# Altium PCB PCB_DACard.PcbDoc (part 2 of 2)
Units mm, origin at the board's own origin, x right, y up, seen from the top; angles counter-clockwise.
Board outline 119.99 x 50 mm, 6 copper layers (Top Layer, Int1 (GND), Int2 (24V), Int3 (5V), Int4 (GND), Bottom Layer), stack 1.472 mm thick; 126 components, 124 nets, 493 pads, 263 vias.
Unrouted connection lines stored in the file: 49.
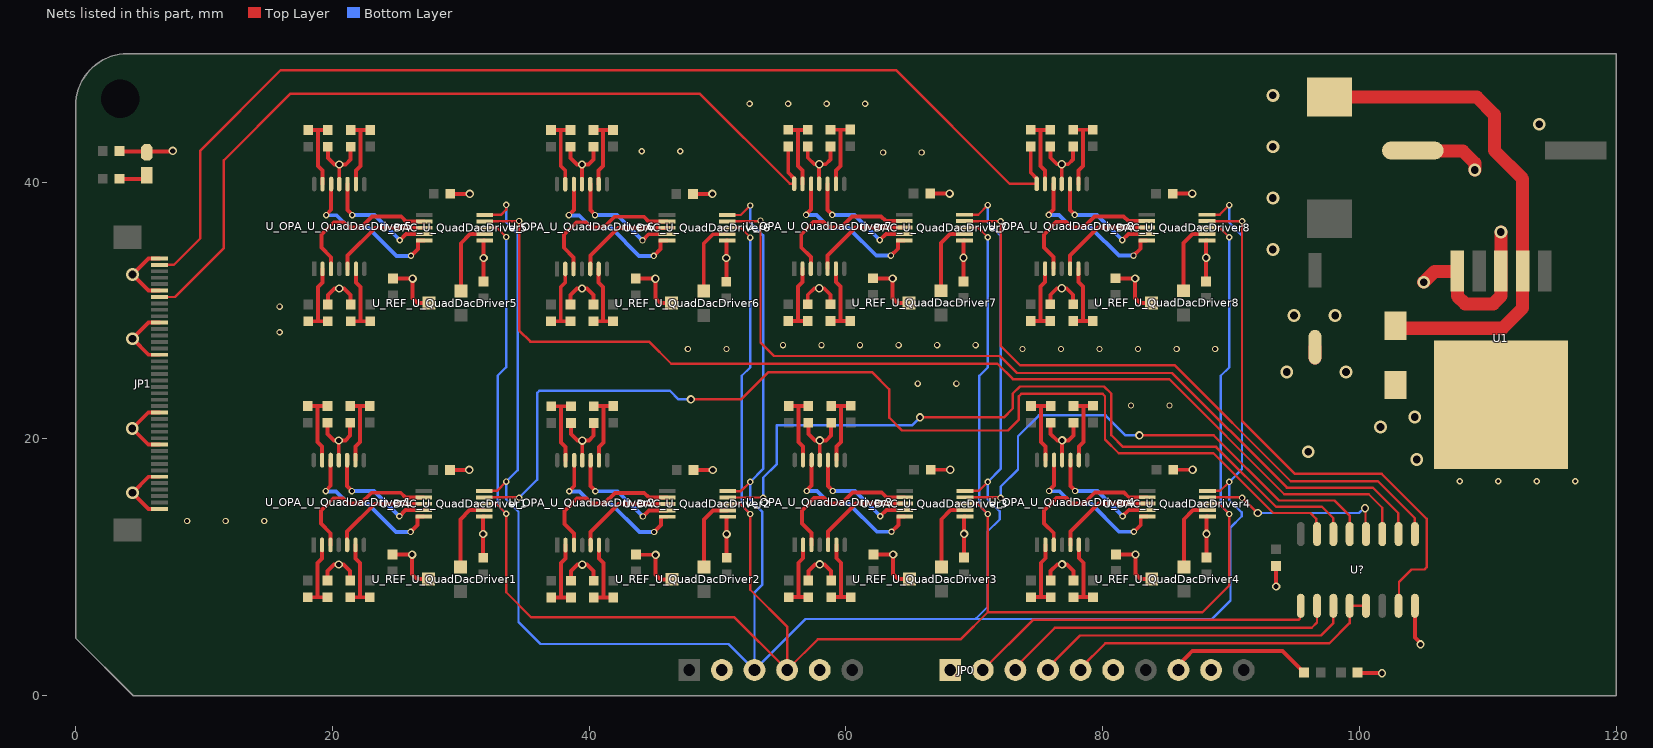
[diagram p6: the nets of this part, all layers, seen from the top]

## Via types
v1: diameter 0.65, hole 0.4, Top Layer to Bottom Layer, tented both sides, 141 vias
v2: diameter 0.5, hole 0.3, Top Layer to Bottom Layer, tented both sides, 91 vias
v3: diameter 1, hole 0.6, Top Layer to Bottom Layer, tented both sides, 28 vias
v4: diameter 1, hole 0.6, Top Layer to Bottom Layer, 3 vias

## Nets (pads, with @x,y where several pads share a name; then routed paths per layer and width w, separated by ;. In a path a pad name is that pad's centre, name@x,y a point inside that pad or via, vN(x,y) a via of type N, cw(c..) or ccw(c..) an arc to the next point about the centre after c; other vN are vias at no path point) (continued)
ChD7: JP1.7 R4P_U_QuadDacDriver7.1 U_OPA_U_QuadDacDriver7.14 | length 66
  Top Layer w0.186: JP1.7@6.547,31.05 7.74,31.05 11.556,34.866 11.556,41.694 16.752,46.889 48.611,46.889 55.635,39.865 55.967,39.865 U_OPA_U_QuadDacDriver7.14@55.97,39.862 55.962,39.87 U_OPA_U_QuadDacDriver7.14@55.962,40.277
  Top Layer w0.305: R4P_U_QuadDacDriver7.1@55.507,42.766 55.507,40.731 U_OPA_U_QuadDacDriver7.14@55.962,40.277
ChD8: JP1.2 R4P_U_QuadDacDriver8.1 U_OPA_U_QuadDacDriver8.14 | length 85.4
  Top Layer w0.186: JP1.2@6.547,33.55 7.654,33.55 9.728,35.623 9.728,42.451 15.995,48.718 63.896,48.718 72.754,39.861 U_OPA_U_QuadDacDriver8.14@74.858,39.861 U_OPA_U_QuadDacDriver8.14@74.858,40.267
  Top Layer w0.305: R4P_U_QuadDacDriver8.1@74.395,42.765 74.395,40.73 U_OPA_U_QuadDacDriver8.14@74.858,40.267
FbChA_U_QuadDacDriver1: R1N_U_QuadDacDriver1.2 R1P_U_QuadDacDriver1.1 U_OPA_U_QuadDacDriver1.2 | length 5.7
  Top Layer w0.305: R1P_U_QuadDacDriver1.1@18.095,7.664 18.857,7.664 ; U_OPA_U_QuadDacDriver1.2@19.208,11.741 19.208,10.697 18.857,10.346 18.857,7.664 ; R1N_U_QuadDacDriver1.2@19.619,7.664 18.857,7.664
FbChA_U_QuadDacDriver2: R1N_U_QuadDacDriver2.2 R1P_U_QuadDacDriver2.1 U_OPA_U_QuadDacDriver2.2 | length 5.7
  Top Layer w0.305: R1P_U_QuadDacDriver2.1@37.058,7.652 37.82,7.652 ; U_OPA_U_QuadDacDriver2.2@38.171,11.729 38.171,10.685 37.82,10.334 37.82,7.652 ; R1N_U_QuadDacDriver2.2@38.582,7.652 37.82,7.652
FbChA_U_QuadDacDriver3: R1N_U_QuadDacDriver3.2 R1P_U_QuadDacDriver3.1 U_OPA_U_QuadDacDriver3.2 | length 5.7
  Top Layer w0.305: R1P_U_QuadDacDriver3.1@55.55,7.672 56.312,7.672 ; U_OPA_U_QuadDacDriver3.2@56.663,11.749 56.663,10.705 56.312,10.354 56.312,7.672 ; R1N_U_QuadDacDriver3.2@57.074,7.672 56.312,7.672
FbChA_U_QuadDacDriver4: R1N_U_QuadDacDriver4.2 R1P_U_QuadDacDriver4.1 U_OPA_U_QuadDacDriver4.2 | length 5.7
  Top Layer w0.305: R1P_U_QuadDacDriver4.1@74.425,7.672 75.187,7.672 ; U_OPA_U_QuadDacDriver4.2@75.538,11.749 75.538,10.705 75.187,10.354 75.187,7.672 ; R1N_U_QuadDacDriver4.2@75.949,7.672 75.187,7.672
FbChA_U_QuadDacDriver5: R1N_U_QuadDacDriver5.2 R1P_U_QuadDacDriver5.1 U_OPA_U_QuadDacDriver5.2 | length 5.7
  Top Layer w0.305: R1P_U_QuadDacDriver5.1@18.132,29.16 18.894,29.16 ; U_OPA_U_QuadDacDriver5.2@19.245,33.237 19.245,32.193 18.894,31.842 18.894,29.16 ; R1N_U_QuadDacDriver5.2@19.656,29.16 18.894,29.16
FbChA_U_QuadDacDriver6: R1N_U_QuadDacDriver6.2 R1P_U_QuadDacDriver6.1 U_OPA_U_QuadDacDriver6.2 | length 5.7
  Top Layer w0.305: R1P_U_QuadDacDriver6.1@37.032,29.156 37.794,29.156 ; U_OPA_U_QuadDacDriver6.2@38.145,33.233 38.145,32.189 37.794,31.838 37.794,29.156 ; R1N_U_QuadDacDriver6.2@38.556,29.156 37.794,29.156
FbChA_U_QuadDacDriver7: R1N_U_QuadDacDriver7.2 R1P_U_QuadDacDriver7.1 U_OPA_U_QuadDacDriver7.2 | length 5.7
  Top Layer w0.305: R1P_U_QuadDacDriver7.1@55.507,29.177 56.269,29.177 ; U_OPA_U_QuadDacDriver7.2@56.62,33.254 56.62,32.21 56.269,31.859 56.269,29.177 ; R1N_U_QuadDacDriver7.2@57.031,29.177 56.269,29.177
FbChA_U_QuadDacDriver8: R1N_U_QuadDacDriver8.2 R1P_U_QuadDacDriver8.1 U_OPA_U_QuadDacDriver8.2 | length 5.7
  Top Layer w0.305: R1P_U_QuadDacDriver8.1@74.395,29.176 75.157,29.176 ; U_OPA_U_QuadDacDriver8.2@75.508,33.253 75.508,32.209 75.157,31.858 75.157,29.176 ; R1N_U_QuadDacDriver8.2@75.919,29.176 75.157,29.176
FbChB_U_QuadDacDriver1: R2N_U_QuadDacDriver1.2 R2P_U_QuadDacDriver1.1 U_OPA_U_QuadDacDriver1.6 | length 5.7
  Top Layer w0.305: R2N_U_QuadDacDriver1.2@21.397,7.664 22.159,7.664 ; U_OPA_U_QuadDacDriver1.6@21.808,11.741 21.808,10.697 22.159,10.346 22.159,7.664 ; R2P_U_QuadDacDriver1.1@22.921,7.664 22.159,7.664
FbChB_U_QuadDacDriver2: R2N_U_QuadDacDriver2.2 R2P_U_QuadDacDriver2.1 U_OPA_U_QuadDacDriver2.6 | length 5.7
  Top Layer w0.305: R2N_U_QuadDacDriver2.2@40.36,7.652 41.122,7.652 ; U_OPA_U_QuadDacDriver2.6@40.771,11.729 40.771,10.685 41.122,10.334 41.122,7.652 ; R2P_U_QuadDacDriver2.1@41.884,7.652 41.122,7.652
FbChB_U_QuadDacDriver3: R2N_U_QuadDacDriver3.2 R2P_U_QuadDacDriver3.1 U_OPA_U_QuadDacDriver3.6 | length 5.7
  Top Layer w0.305: R2N_U_QuadDacDriver3.2@58.852,7.672 59.614,7.672 ; U_OPA_U_QuadDacDriver3.6@59.263,11.749 59.263,10.705 59.614,10.354 59.614,7.672 ; R2P_U_QuadDacDriver3.1@60.376,7.672 59.614,7.672
FbChB_U_QuadDacDriver4: R2N_U_QuadDacDriver4.2 R2P_U_QuadDacDriver4.1 U_OPA_U_QuadDacDriver4.6 | length 5.7
  Top Layer w0.305: R2N_U_QuadDacDriver4.2@77.727,7.672 78.489,7.672 ; U_OPA_U_QuadDacDriver4.6@78.138,11.749 78.138,10.705 78.489,10.354 78.489,7.672 ; R2P_U_QuadDacDriver4.1@79.251,7.672 78.489,7.672
FbChB_U_QuadDacDriver5: R2N_U_QuadDacDriver5.2 R2P_U_QuadDacDriver5.1 U_OPA_U_QuadDacDriver5.6 | length 5.7
  Top Layer w0.305: R2N_U_QuadDacDriver5.2@21.434,29.16 22.196,29.16 ; U_OPA_U_QuadDacDriver5.6@21.845,33.237 21.845,32.193 22.196,31.842 22.196,29.16 ; R2P_U_QuadDacDriver5.1@22.958,29.16 22.196,29.16
FbChB_U_QuadDacDriver6: R2N_U_QuadDacDriver6.2 R2P_U_QuadDacDriver6.1 U_OPA_U_QuadDacDriver6.6 | length 5.7
  Top Layer w0.305: R2N_U_QuadDacDriver6.2@40.334,29.156 41.096,29.156 ; U_OPA_U_QuadDacDriver6.6@40.745,33.233 40.745,32.189 41.096,31.838 41.096,29.156 ; R2P_U_QuadDacDriver6.1@41.858,29.156 41.096,29.156
FbChB_U_QuadDacDriver7: R2N_U_QuadDacDriver7.2 R2P_U_QuadDacDriver7.1 U_OPA_U_QuadDacDriver7.6 | length 5.7
  Top Layer w0.305: R2N_U_QuadDacDriver7.2@58.809,29.177 59.571,29.177 ; U_OPA_U_QuadDacDriver7.6@59.22,33.254 59.22,32.21 59.571,31.859 59.571,29.177 ; R2P_U_QuadDacDriver7.1@60.333,29.177 59.571,29.177
FbChB_U_QuadDacDriver8: R2N_U_QuadDacDriver8.2 R2P_U_QuadDacDriver8.1 U_OPA_U_QuadDacDriver8.6 | length 5.7
  Top Layer w0.305: R2N_U_QuadDacDriver8.2@77.697,29.176 78.459,29.176 ; U_OPA_U_QuadDacDriver8.6@78.108,33.253 78.108,32.209 78.459,31.858 78.459,29.176 ; R2P_U_QuadDacDriver8.1@79.221,29.176 78.459,29.176
FbChC_U_QuadDacDriver1: R3N_U_QuadDacDriver1.1 R3P_U_QuadDacDriver1.2 U_OPA_U_QuadDacDriver1.9 | length 5.9
  Top Layer w0.305: R3N_U_QuadDacDriver1.1@21.397,22.553 21.404,22.561 22.159,22.561 ; U_OPA_U_QuadDacDriver1.9@21.808,18.341 21.808,19.393 22.159,19.744 22.159,22.561 ; R3P_U_QuadDacDriver1.2@22.921,22.568 22.914,22.561 22.159,22.561
FbChC_U_QuadDacDriver2: R3N_U_QuadDacDriver2.1 R3P_U_QuadDacDriver2.2 U_OPA_U_QuadDacDriver2.9 | length 5.9
  Top Layer w0.305: R3N_U_QuadDacDriver2.1@40.36,22.541 40.367,22.549 41.122,22.549 ; U_OPA_U_QuadDacDriver2.9@40.771,18.329 40.771,19.381 41.122,19.732 41.122,22.549 ; R3P_U_QuadDacDriver2.2@41.884,22.556 41.876,22.549 41.122,22.549
FbChC_U_QuadDacDriver3: R3N_U_QuadDacDriver3.1 R3P_U_QuadDacDriver3.2 U_OPA_U_QuadDacDriver3.9 | length 5.9
  Top Layer w0.305: R3N_U_QuadDacDriver3.1@58.852,22.561 58.859,22.569 59.614,22.569 ; U_OPA_U_QuadDacDriver3.9@59.263,18.349 59.263,19.401 59.614,19.752 59.614,22.569 ; R3P_U_QuadDacDriver3.2@60.376,22.576 60.368,22.569 59.614,22.569
FbChC_U_QuadDacDriver4: R3N_U_QuadDacDriver4.1 R3P_U_QuadDacDriver4.2 U_OPA_U_QuadDacDriver4.9 | length 5.9
  Top Layer w0.305: R3N_U_QuadDacDriver4.1@77.727,22.561 77.734,22.569 78.489,22.569 ; U_OPA_U_QuadDacDriver4.9@78.138,18.349 78.138,19.401 78.489,19.752 78.489,22.569 ; R3P_U_QuadDacDriver4.2@79.251,22.576 79.243,22.569 78.489,22.569
FbChC_U_QuadDacDriver5: R3N_U_QuadDacDriver5.1 R3P_U_QuadDacDriver5.2 U_OPA_U_QuadDacDriver5.9 | length 5.9
  Top Layer w0.305: R3N_U_QuadDacDriver5.1@21.434,44.049 21.441,44.057 22.196,44.057 ; U_OPA_U_QuadDacDriver5.9@21.845,39.837 21.845,40.889 22.196,41.24 22.196,44.057 ; R3P_U_QuadDacDriver5.2@22.958,44.064 22.951,44.057 22.196,44.057
FbChC_U_QuadDacDriver6: R3N_U_QuadDacDriver6.1 R3P_U_QuadDacDriver6.2 U_OPA_U_QuadDacDriver6.9 | length 5.9
  Top Layer w0.305: R3N_U_QuadDacDriver6.1@40.334,44.045 40.341,44.053 41.096,44.053 ; U_OPA_U_QuadDacDriver6.9@40.745,39.833 40.745,40.885 41.096,41.236 41.096,44.053 ; R3P_U_QuadDacDriver6.2@41.858,44.06 41.851,44.053 41.096,44.053
FbChC_U_QuadDacDriver7: R3N_U_QuadDacDriver7.1 R3P_U_QuadDacDriver7.2 U_OPA_U_QuadDacDriver7.9 | length 5.9
  Top Layer w0.305: R3N_U_QuadDacDriver7.1@58.809,44.066 58.816,44.074 59.571,44.074 ; U_OPA_U_QuadDacDriver7.9@59.22,39.854 59.22,40.906 59.571,41.257 59.571,44.073 ; R3P_U_QuadDacDriver7.2@60.333,44.081 60.326,44.074 59.571,44.074
FbChC_U_QuadDacDriver8: R3N_U_QuadDacDriver8.1 R3P_U_QuadDacDriver8.2 U_OPA_U_QuadDacDriver8.9 | length 5.9
  Top Layer w0.305: R3N_U_QuadDacDriver8.1@77.697,44.065 77.704,44.072 78.459,44.072 ; U_OPA_U_QuadDacDriver8.9@78.108,39.853 78.108,40.905 78.459,41.256 78.459,44.072 ; R3P_U_QuadDacDriver8.2@79.221,44.08 79.214,44.072 78.459,44.072
FbChD_U_QuadDacDriver1: R4N_U_QuadDacDriver1.1 R4P_U_QuadDacDriver1.2 U_OPA_U_QuadDacDriver1.13 | length 5.9
  Top Layer w0.305: R4P_U_QuadDacDriver1.2@18.095,22.553 18.857,22.553 ; U_OPA_U_QuadDacDriver1.13@19.208,18.341 19.208,19.393 18.857,19.744 18.857,22.553 ; R4N_U_QuadDacDriver1.1@19.619,22.553 18.857,22.553
FbChD_U_QuadDacDriver2: R4N_U_QuadDacDriver2.1 R4P_U_QuadDacDriver2.2 U_OPA_U_QuadDacDriver2.13 | length 5.9
  Top Layer w0.305: R4P_U_QuadDacDriver2.2@37.058,22.541 37.82,22.541 ; U_OPA_U_QuadDacDriver2.13@38.171,18.329 38.171,19.381 37.82,19.732 37.82,22.541 ; R4N_U_QuadDacDriver2.1@38.582,22.541 37.82,22.541
FbChD_U_QuadDacDriver3: R4N_U_QuadDacDriver3.1 R4P_U_QuadDacDriver3.2 U_OPA_U_QuadDacDriver3.13 | length 5.9
  Top Layer w0.305: R4P_U_QuadDacDriver3.2@55.55,22.561 56.312,22.561 ; U_OPA_U_QuadDacDriver3.13@56.663,18.349 56.663,19.401 56.312,19.752 56.312,22.561 ; R4N_U_QuadDacDriver3.1@57.074,22.561 56.312,22.561
FbChD_U_QuadDacDriver4: R4N_U_QuadDacDriver4.1 R4P_U_QuadDacDriver4.2 U_OPA_U_QuadDacDriver4.13 | length 5.9
  Top Layer w0.305: R4P_U_QuadDacDriver4.2@74.425,22.561 75.187,22.561 ; U_OPA_U_QuadDacDriver4.13@75.538,18.349 75.538,19.401 75.187,19.752 75.187,22.561 ; R4N_U_QuadDacDriver4.1@75.949,22.561 75.187,22.561
FbChD_U_QuadDacDriver5: R4N_U_QuadDacDriver5.1 R4P_U_QuadDacDriver5.2 U_OPA_U_QuadDacDriver5.13 | length 5.9
  Top Layer w0.305: R4P_U_QuadDacDriver5.2@18.132,44.049 18.894,44.049 ; U_OPA_U_QuadDacDriver5.13@19.245,39.837 19.245,40.889 18.894,41.24 18.894,44.049 ; R4N_U_QuadDacDriver5.1@19.656,44.049 18.894,44.049
FbChD_U_QuadDacDriver6: R4N_U_QuadDacDriver6.1 R4P_U_QuadDacDriver6.2 U_OPA_U_QuadDacDriver6.13 | length 5.9
  Top Layer w0.305: R4P_U_QuadDacDriver6.2@37.032,44.045 37.794,44.045 ; U_OPA_U_QuadDacDriver6.13@38.145,39.833 38.145,40.885 37.794,41.236 37.794,44.045 ; R4N_U_QuadDacDriver6.1@38.556,44.045 37.794,44.045
FbChD_U_QuadDacDriver7: R4N_U_QuadDacDriver7.1 R4P_U_QuadDacDriver7.2 U_OPA_U_QuadDacDriver7.13 | length 5.9
  Top Layer w0.305: R4P_U_QuadDacDriver7.2@55.507,44.066 56.269,44.066 ; U_OPA_U_QuadDacDriver7.13@56.62,39.854 56.62,40.906 56.269,41.257 56.269,44.066 ; R4N_U_QuadDacDriver7.1@57.031,44.066 56.269,44.066
FbChD_U_QuadDacDriver8: R4N_U_QuadDacDriver8.1 R4P_U_QuadDacDriver8.2 U_OPA_U_QuadDacDriver8.13 | length 5.9
  Top Layer w0.305: R4P_U_QuadDacDriver8.2@74.395,44.065 75.157,44.065 ; U_OPA_U_QuadDacDriver8.13@75.508,39.853 75.508,40.905 75.157,41.256 75.157,44.065 ; R4N_U_QuadDacDriver8.1@75.919,44.065 75.157,44.065
GND: C0.2 C0DCP1_U_QuadDacDriver1.2 C0DCP1_U_QuadDacDriver2.2 C0DCP1_U_QuadDacDriver3.2 C0DCP1_U_QuadDacDriver4.2 C0DCP1_U_QuadDacDriver5.2 C0DCP1_U_QuadDacDriver6.2 C0DCP1_U_QuadDacDriver7.2 C0DCP1_U_QuadDacDriver8.2 C0DCP2_U_QuadDacDriver1.2 C0DCP2_U_QuadDacDriver2.2 C0DCP2_U_QuadDacDriver3.2 C0DCP2_U_QuadDacDriver4.2 C0DCP2_U_QuadDacDriver5.2 C0DCP2_U_QuadDacDriver6.2 C0DCP2_U_QuadDacDriver7.2 C0DCP2_U_QuadDacDriver8.2 C0DCP3_U_QuadDacDriver1.1 C0DCP3_U_QuadDacDriver2.1 C0DCP3_U_QuadDacDriver3.1 C0DCP3_U_QuadDacDriver4.1 C0DCP3_U_QuadDacDriver5.1 C0DCP3_U_QuadDacDriver6.1 C0DCP3_U_QuadDacDriver7.1 C0DCP3_U_QuadDacDriver8.1 C1.2 C1V.2 C2.2 C2V.2 D1.1 JP0.2 JP0.5 JP0.7 JP0.12 JP0.15 JP1.1 JP1.6 JP1.11 JP1.16 JP1.25 JP1.30 JP1.35 JP1.40 LED0.2 R1N_U_QuadDacDriver1.1 R1N_U_QuadDacDriver2.1 R1N_U_QuadDacDriver3.1 R1N_U_QuadDacDriver4.1 R1N_U_QuadDacDriver5.1 R1N_U_QuadDacDriver6.1 R1N_U_QuadDacDriver7.1 R1N_U_QuadDacDriver8.1 R2N_U_QuadDacDriver1.1 R2N_U_QuadDacDriver2.1 R2N_U_QuadDacDriver3.1 R2N_U_QuadDacDriver4.1 R2N_U_QuadDacDriver5.1 R2N_U_QuadDacDriver6.1 R2N_U_QuadDacDriver7.1 R2N_U_QuadDacDriver8.1 R3N_U_QuadDacDriver1.2 R3N_U_QuadDacDriver2.2 R3N_U_QuadDacDriver3.2 R3N_U_QuadDacDriver4.2 R3N_U_QuadDacDriver5.2 R3N_U_QuadDacDriver6.2 R3N_U_QuadDacDriver7.2 R3N_U_QuadDacDriver8.2 R4N_U_QuadDacDriver1.2 R4N_U_QuadDacDriver2.2 R4N_U_QuadDacDriver3.2 R4N_U_QuadDacDriver4.2 R4N_U_QuadDacDriver5.2 R4N_U_QuadDacDriver6.2 R4N_U_QuadDacDriver7.2 R4N_U_QuadDacDriver8.2 U1.3 U1.5 U?.8 U_DAC_U_QuadDacDriver1.6 U_DAC_U_QuadDacDriver2.6 U_DAC_U_QuadDacDriver3.6 U_DAC_U_QuadDacDriver4.6 U_DAC_U_QuadDacDriver5.6 U_DAC_U_QuadDacDriver6.6 U_DAC_U_QuadDacDriver7.6 U_DAC_U_QuadDacDriver8.6 U_OPA_U_QuadDacDriver1.11 U_OPA_U_QuadDacDriver2.11 U_OPA_U_QuadDacDriver3.11 U_OPA_U_QuadDacDriver4.11 U_OPA_U_QuadDacDriver5.11 U_OPA_U_QuadDacDriver6.11 U_OPA_U_QuadDacDriver7.11 U_OPA_U_QuadDacDriver8.11 U_REF_U_QuadDacDriver1.3 U_REF_U_QuadDacDriver2.3 U_REF_U_QuadDacDriver3.3 U_REF_U_QuadDacDriver4.3 U_REF_U_QuadDacDriver5.3 U_REF_U_QuadDacDriver6.3 U_REF_U_QuadDacDriver7.3 U_REF_U_QuadDacDriver8.3 | length 207.9
  Top Layer w0.305: C2V.2@3.425,42.425 3.48,42.37 5.513,42.37 LED0.2@5.568,42.314 5.624,42.37 7.52,42.37 v1(7.575,42.425) ; v3@4.566,32.8 v3(4.45,32.8) ; JP1.40@6.547,14.55 6.545,14.552 5.698,14.552 v3(4.45,15.8) 5.698,17.048 6.545,17.048 JP1.35@6.547,17.05 ; JP1.30@6.547,19.55 6.545,19.552 5.673,19.552 v3(4.425,20.8) 5.673,22.048 6.545,22.048 JP1.25@6.547,22.05 ; JP1.16@6.547,26.55 6.545,26.552 5.698,26.552 v3(4.45,27.8) 5.698,29.048 6.545,29.048 JP1.11@6.547,29.05 ; JP1.6@6.547,31.55 6.545,31.552 5.698,31.552 v3(4.45,32.8) ; JP1.1@6.547,34.05 6.545,34.048 5.698,34.048 v3(4.45,32.8) ; R1N_U_QuadDacDriver1.1@19.619,8.964 19.619,9.711 20.127,10.219 v1(20.508,10.219) 20.889,10.219 21.397,9.711 R2N_U_QuadDacDriver1.1@21.397,8.964 ; R4N_U_QuadDacDriver1.2@19.619,21.253 19.619,20.379 20.127,19.871 v1(20.508,19.871) ; R1N_U_QuadDacDriver5.1@19.656,30.46 19.656,31.207 20.164,31.715 v1(20.545,31.715) 20.926,31.715 21.434,31.207 R2N_U_QuadDacDriver5.1@21.434,30.46 ; R4N_U_QuadDacDriver5.2@19.656,42.749 19.656,41.875 20.164,41.367 v1(20.545,41.367) ; U_OPA_U_QuadDacDriver1.11@20.508,18.341 v1(20.508,19.871) ; U_OPA_U_QuadDacDriver5.11@20.545,39.837 v1(20.545,41.367) ; R3N_U_QuadDacDriver1.2@21.397,21.253 21.397,20.252 21.016,19.871 v1(20.508,19.871) ; R3N_U_QuadDacDriver5.2@21.434,42.749 21.434,41.748 21.053,41.367 v1(20.545,41.367) ; C0DCP2_U_QuadDacDriver1.2@24.699,10.996 24.707,10.988 26.216,10.988 v1(26.223,10.981) 26.223,9.457 26.604,9.076 U_REF_U_QuadDacDriver1.3@27.493,9.076 ; C0DCP2_U_QuadDacDriver5.2@24.736,32.492 24.744,32.484 26.253,32.484 v1(26.26,32.477) 26.26,30.953 26.641,30.572 U_REF_U_QuadDacDriver5.3@27.53,30.572 ; C0DCP1_U_QuadDacDriver1.2@29.159,17.585 v1(30.668,17.585) ; C0DCP1_U_QuadDacDriver5.2@29.196,39.081 v1(30.705,39.081) ; C0DCP3_U_QuadDacDriver1.1@31.75,10.75 v1(31.75,12.59) 31.75,13.943 31.752,13.945 U_DAC_U_QuadDacDriver1.6@31.813,13.945 ; C0DCP3_U_QuadDacDriver5.1@31.787,32.246 v1(31.787,34.086) 31.787,35.439 31.789,35.441 U_DAC_U_QuadDacDriver5.6@31.85,35.441 ; U_DAC_U_QuadDacDriver1.6@31.811,13.943 U_DAC_U_QuadDacDriver1.6@31.813,13.945 ; U_DAC_U_QuadDacDriver1.6@31.827,13.945 U_DAC_U_QuadDacDriver1.6@31.813,13.945 ; U_DAC_U_QuadDacDriver5.6@31.848,35.439 U_DAC_U_QuadDacDriver5.6@31.85,35.441 ; U_DAC_U_QuadDacDriver5.6@31.864,35.441 U_DAC_U_QuadDacDriver5.6@31.85,35.441 ; R1N_U_QuadDacDriver6.1@38.556,30.456 38.556,31.203 39.064,31.711 v1(39.445,31.711) 39.826,31.711 40.334,31.203 R2N_U_QuadDacDriver6.1@40.334,30.456 ; R4N_U_QuadDacDriver6.2@38.556,42.745 38.556,41.871 39.064,41.363 v1(39.445,41.363) ; R1N_U_QuadDacDriver2.1@38.582,8.952 38.582,9.699 39.09,10.207 v1(39.471,10.207) 39.852,10.207 40.36,9.699 R2N_U_QuadDacDriver2.1@40.36,8.952 ; R4N_U_QuadDacDriver2.2@38.582,21.241 38.582,20.367 39.09,19.859 v1(39.471,19.859) ; U_OPA_U_QuadDacDriver6.11@39.445,39.833 v1(39.445,41.363) ; U_OPA_U_QuadDacDriver2.11@39.471,18.329 v1(39.471,19.859) ; R3N_U_QuadDacDriver6.2@40.334,42.745 40.334,41.744 39.953,41.363 v1(39.445,41.363) ; R3N_U_QuadDacDriver2.2@40.36,21.241 40.36,20.24 39.979,19.859 v1(39.471,19.859) ; C0DCP2_U_QuadDacDriver6.2@43.636,32.488 43.644,32.48 45.153,32.48 v1(45.16,32.473) 45.16,30.949 45.541,30.568 U_REF_U_QuadDacDriver6.3@46.43,30.568 ; C0DCP2_U_QuadDacDriver2.2@43.662,10.984 43.669,10.977 45.178,10.977 v1(45.186,10.969) 45.186,9.445 45.567,9.064 U_REF_U_QuadDacDriver2.3@46.456,9.064 ; C0DCP1_U_QuadDacDriver6.2@48.096,39.077 v1(49.605,39.077) ; C0DCP3_U_QuadDacDriver6.1@50.687,32.242 v1(50.687,34.082) 50.687,35.435 50.689,35.437 U_DAC_U_QuadDacDriver6.6@50.75,35.437 ; C0DCP3_U_QuadDacDriver2.1@50.713,10.738 v1(50.713,12.578) 50.713,13.931 50.715,13.933 U_DAC_U_QuadDacDriver2.6@50.776,13.933 ; U_DAC_U_QuadDacDriver6.6@50.748,35.435 U_DAC_U_QuadDacDriver6.6@50.75,35.437 ; U_DAC_U_QuadDacDriver6.6@50.764,35.437 U_DAC_U_QuadDacDriver6.6@50.75,35.437 ; U_DAC_U_QuadDacDriver2.6@50.774,13.931 U_DAC_U_QuadDacDriver2.6@50.776,13.933 ; U_DAC_U_QuadDacDriver2.6@50.79,13.933 U_DAC_U_QuadDacDriver2.6@50.776,13.933 ; R1N_U_QuadDacDriver7.1@57.031,30.477 57.031,31.224 57.539,31.732 v1(57.92,31.732) 58.301,31.732 58.809,31.224 R2N_U_QuadDacDriver7.1@58.809,30.477 ; R4N_U_QuadDacDriver7.2@57.031,42.766 57.031,41.892 57.539,41.384 v1(57.92,41.384) ; R1N_U_QuadDacDriver3.1@57.074,8.972 57.074,9.719 57.582,10.227 v1(57.963,10.227) 58.344,10.227 58.852,9.719 R2N_U_QuadDacDriver3.1@58.852,8.972 ; R4N_U_QuadDacDriver3.2@57.074,21.261 57.074,20.387 57.582,19.879 v1(57.963,19.879) ; U_OPA_U_QuadDacDriver7.11@57.92,39.854 v1(57.92,41.384) ; U_OPA_U_QuadDacDriver3.11@57.963,18.349 v1(57.963,19.879) ; R3N_U_QuadDacDriver7.2@58.809,42.766 58.809,41.765 58.428,41.384 v1(57.92,41.384) ; R3N_U_QuadDacDriver3.2@58.852,21.261 58.852,20.26 58.471,19.879 v1(57.963,19.879) ; C0DCP2_U_QuadDacDriver7.2@62.111,32.509 62.119,32.501 63.628,32.501 v1(63.635,32.494) 63.635,30.97 64.016,30.589 U_REF_U_QuadDacDriver7.3@64.905,30.589 ; C0DCP2_U_QuadDacDriver3.2@62.154,11.004 62.161,10.997 63.67,10.997 v1(63.678,10.989) 63.678,9.465 64.059,9.084 U_REF_U_QuadDacDriver3.3@64.948,9.084 ; C0DCP1_U_QuadDacDriver7.2@66.571,39.098 v1(68.08,39.098) ; C0DCP1_U_QuadDacDriver3.2@66.614,17.593 v1(68.123,17.593) ; C0DCP3_U_QuadDacDriver7.1@69.162,32.263 v1(69.162,34.103) 69.162,35.456 69.164,35.458 U_DAC_U_QuadDacDriver7.6@69.225,35.458 ; C0DCP3_U_QuadDacDriver3.1@69.205,10.758 v1(69.205,12.598) 69.205,13.951 69.207,13.953 U_DAC_U_QuadDacDriver3.6@69.268,13.953 ; U_DAC_U_QuadDacDriver7.6@69.223,35.456 U_DAC_U_QuadDacDriver7.6@69.225,35.458 ; U_DAC_U_QuadDacDriver7.6@69.239,35.458 U_DAC_U_QuadDacDriver7.6@69.225,35.458 ; U_DAC_U_QuadDacDriver3.6@69.266,13.951 U_DAC_U_QuadDacDriver3.6@69.268,13.953 ; U_DAC_U_QuadDacDriver3.6@69.282,13.953 U_DAC_U_QuadDacDriver3.6@69.268,13.953 ; R1N_U_QuadDacDriver8.1@75.919,30.476 75.919,31.223 76.427,31.731 v1(76.808,31.731) 77.189,31.731 77.697,31.223 R2N_U_QuadDacDriver8.1@77.697,30.476 ; R4N_U_QuadDacDriver8.2@75.919,42.765 75.919,41.891 76.427,41.383 v1(76.808,41.383) ; R1N_U_QuadDacDriver4.1@75.949,8.972 75.949,9.719 76.457,10.227 v1(76.838,10.227) 77.219,10.227 77.727,9.719 R2N_U_QuadDacDriver4.1@77.727,8.972 ; R4N_U_QuadDacDriver4.2@75.949,21.261 75.949,20.387 76.457,19.879 v1(76.838,19.879) ; U_OPA_U_QuadDacDriver8.11@76.808,39.853 v1(76.808,41.383) ; U_OPA_U_QuadDacDriver4.11@76.838,18.349 v1(76.838,19.879) ; R3N_U_QuadDacDriver8.2@77.697,42.765 77.697,41.764 77.316,41.383 v1(76.808,41.383) ; R3N_U_QuadDacDriver4.2@77.727,21.261 77.727,20.26 77.346,19.879 v1(76.838,19.879) ; C0DCP2_U_QuadDacDriver8.2@80.999,32.508 81.007,32.5 82.516,32.5 v1(82.523,32.493) 82.523,30.969 82.904,30.588 U_REF_U_QuadDacDriver8.3@83.793,30.588 ; C0DCP2_U_QuadDacDriver4.2@81.029,11.004 81.036,10.997 82.545,10.997 v1(82.553,10.989) 82.553,9.465 82.934,9.084 U_REF_U_QuadDacDriver4.3@83.823,9.084 ; C0DCP1_U_QuadDacDriver8.2@85.459,39.097 v1(86.968,39.097) ; C0DCP1_U_QuadDacDriver4.2@85.489,17.593 v1(86.998,17.593) ; C0DCP3_U_QuadDacDriver8.1@88.05,32.262 v1(88.05,34.102) ; v1(88.05,34.102) 88.05,35.454 88.052,35.457 U_DAC_U_QuadDacDriver8.6@88.113,35.457 ; C0DCP3_U_QuadDacDriver4.1@88.08,10.758 v1(88.08,12.598) 88.08,13.951 88.082,13.953 U_DAC_U_QuadDacDriver4.6@88.143,13.953 ; U_DAC_U_QuadDacDriver8.6@88.111,35.454 U_DAC_U_QuadDacDriver8.6@88.113,35.457 ; U_DAC_U_QuadDacDriver8.6@88.127,35.457 U_DAC_U_QuadDacDriver8.6@88.113,35.457 ; U_DAC_U_QuadDacDriver4.6@88.141,13.951 U_DAC_U_QuadDacDriver4.6@88.143,13.953 ; U_DAC_U_QuadDacDriver4.6@88.157,13.953 U_DAC_U_QuadDacDriver4.6@88.143,13.953 ; v1(93.5,8.5) C0.2@93.5,10.1 ; C1V.2@99.85,1.8 99.875,1.775 101.725,1.775 v1(101.75,1.75) ; U?.8@104.31,7 104.31,4.533 104.75,4.093 v1(104.75,4) ; C0DCP1_U_QuadDacDriver2.2@48.122,17.573 v1(49.631,17.573) C0DCP1_U_QuadDacDriver2.2@48.122,17.573